# Altium PCB bqCNC.PcbDoc (part 2 of 6) (continued)
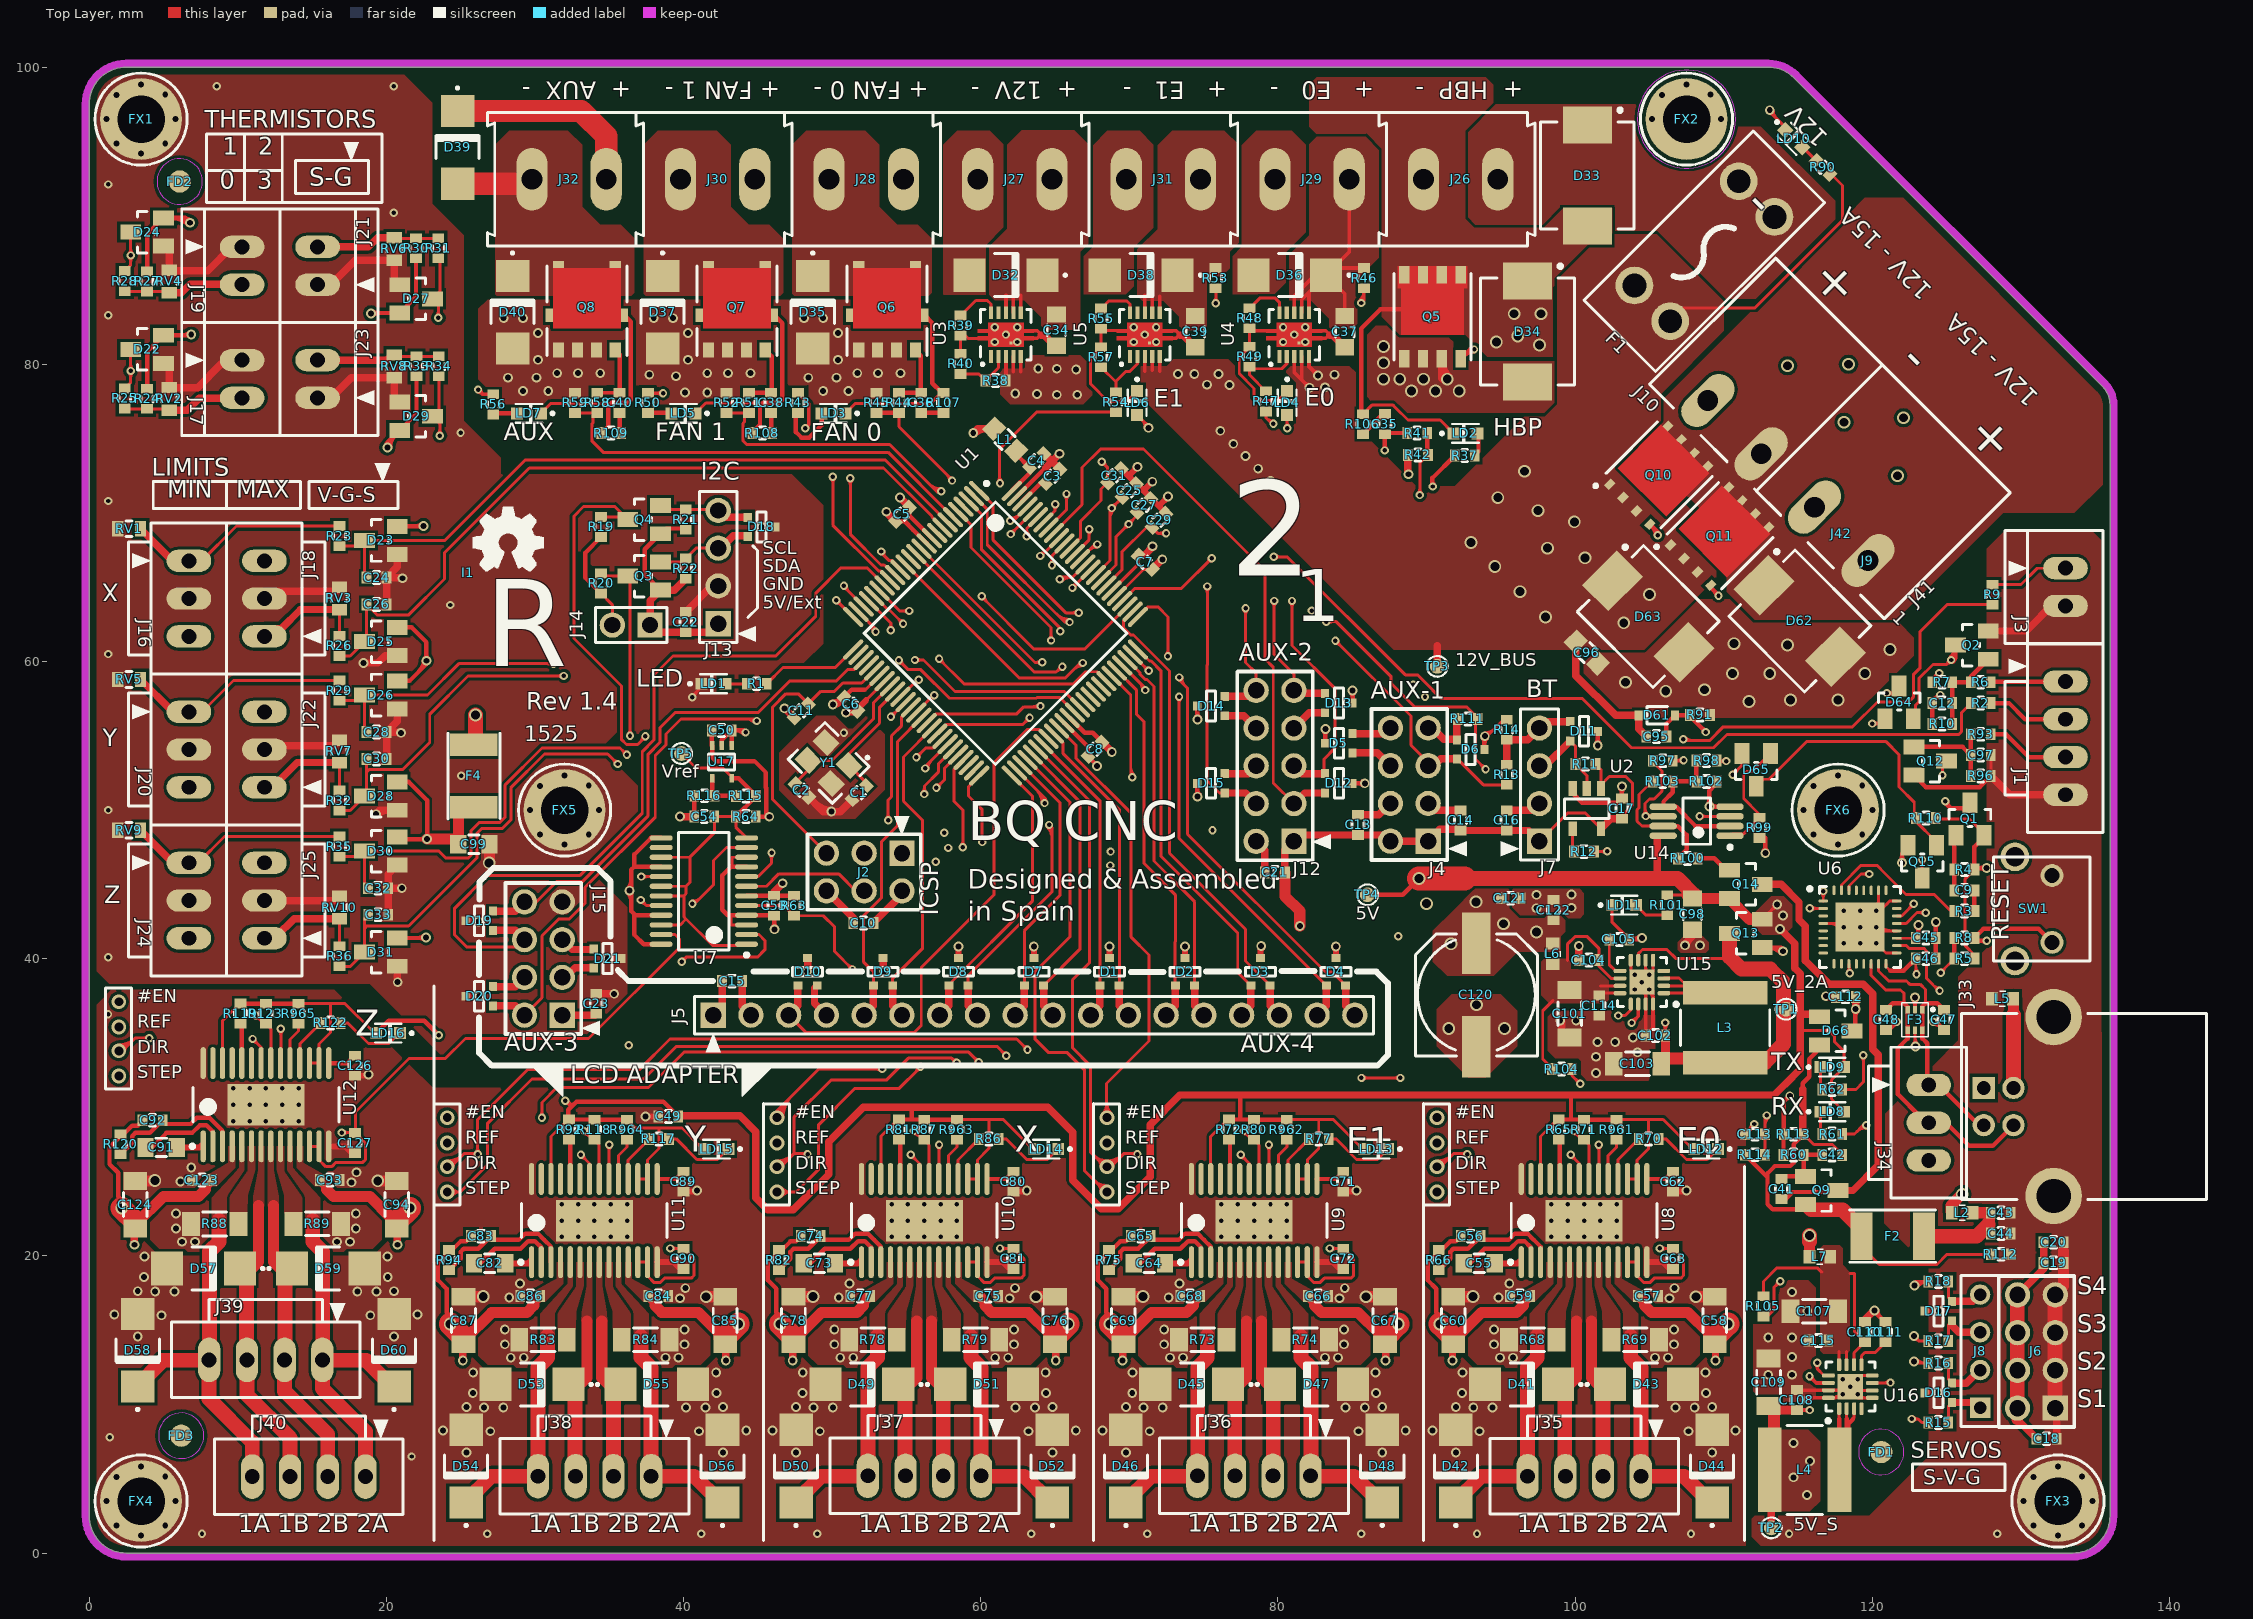
[diagram p0: Top Layer view]
## Nets (pads, with @x,y where several pads share a name; then routed paths per layer and width w, separated by ;. In a path a pad name is that pad's centre, name@x,y a point inside that pad or via, vN(x,y) a via of type N, cw(c..) or ccw(c..) an arc to the next point about the centre after c; other vN are vias at no path point) (continued)
  Power Layer w0.75: J24.3@6.466,41.372 J24.3@6.55,41.372 ; J20.3@6.466,51.786 J20.3@6.55,51.786 ; J16.3@7.366,61.468 7.366,61.478 9.398,63.51 9.398,65.278 10.892,66.772 J18.3@11.8,66.772 ; J20.3@7.62,51.562 7.62,51.572 9.144,53.096 9.144,54.864 10.892,56.612 J22.3@11.8,56.612 ; J24.3@7.874,41.656 9.398,43.18 9.398,45.212 10.638,46.452 J25.3@11.8,46.452 22.748,46.452 22.75,46.45 ; J22.3@11.63,56.866 22.666,56.866 22.725,56.925 ; J18.3@12.278,66.802 22.077,66.802 22.5,67.225 ; v1(22.5,69.125) 22.5,67.225 ; J14.2@35.21,62.45 25.275,62.45 23.925,61.1 ; v1(81.475,42.2) 81.45,42.175 78.775,42.175 74.45,37.85 43.65,37.85 J5.1@42,36.2 J15.1@31.84,36.2 30.415,34.775 25.425,34.775 22.75,37.45 22.75,46.45 ; 22.5,67.225 22.5,62.525 23.925,61.1 ; 22.725,56.925 22.725,59.9 23.925,61.1 ; 22.725,56.925 22.725,48.05 v1(22.75,48.05) 22.75,46.45
  Signal Layer 1 w0.5: J5.1@42,36.2 46.425,40.625 49.95,40.625 51.275,41.95 52.85,41.95 54.675,43.775 J2.2@54.675,44.575
5V_S: C18.2 C19.2 C20.2 C108.2 C109.2 J6.2 J6.4 J6.6 J6.8 L4.2 TP2.1 U16.7 U16.14 | length 63.3
  Top Layer w0.2: U16.7@120,11.45 121.2,11.45 v2(121.225,11.475) ; 120.73,11.45 ccw(c120.73,11.97) v2@121.098,11.602 ; 120.851,11.45 cw(c120.851,11.101) v2@121.098,11.348
  Top Layer w0.25: C109.2@113.3,9.625 C109.2@113.375,9.55 ; C108.2@114.925,9.625 v2(115.8,9.625) ; v2@115.69,9.515 ccw(c115.426,9.251) 115.426,9.625 ccw(c115.426,9.999) v2@115.69,9.735 ; v2@115.775,11.745 cw(c115.775,11.371) 116.04,11.635 cw(c116.304,11.9) v2@115.93,11.9 ; v2(115.775,11.9) 116.225,11.45 U16.14@117.05,11.45
  Top Layer w0.5: L4.2@113.1,5.6 113.2,5.5 TP2.1@113.2,1.7 ; J6.8@129.725,17.325 129.76,17.36 131.527,19.127 C20.2@131.527,20.916 ; J6.2@129.76,8.989 C18.2@131.055,7.694
  Top Layer w0.6: C109.2@113.3,9.625 C108.2@114.925,9.625
  Top Layer w0.75: J6.2@129.76,8.989 J6.2@129.76,9.78
  Top Layer w0.8: L4.2@113.375,5.8 C109.2@113.375,9.55
  Top Layer w1: J6.2@129.76,9.78 129.76,12.32 129.76,14.86 J6.8@129.76,17.36
  Power Layer w0.2: v2@121.055,11.305 cw(c120.646,10.896) 121.225,10.896 cw(c121.804,10.896) v2@121.395,11.305 ; v2(121.225,11.475) 121.225,6.35 121.375,6.2
  Power Layer w0.25: v2@115.623,11.748 cw(c115.256,11.381) 115.775,11.381 cw(c116.294,11.381) v2@115.927,11.748 ; v2@115.648,9.777 ccw(c115.341,10.084) 115.775,10.084 ; 115.775,10.204 ccw(c116.379,10.204) v2@115.952,9.777 ; v2(115.775,11.9) 115.775,9.8 115.875,9.7 v2(115.8,9.625)
  Power Layer w1.6: v1(115.8,6.2) 121.375,6.2 127.3,6.2 129.76,8.66 129.76,9.78 129.76,12.32 129.76,14.86 J6.8@129.76,17.4
  other v1: 115.6,3.9 114.7,5.1 114.7,7.4
12V_BUS: C56.1 C57.2 C58.2 C59.2 C60.2 C65.1 C66.2 C67.2 C68.2 C69.2 C74.1 C75.2 C76.2 C77.2 C78.2 C83.1 C84.2 C85.2 C86.2 C87.2 C92.1 C93.2 C94.2 C95.2 C96.2 C120.1 C121.2 C122.2 C123.2 C124.2 D61.K D63.K F1.1 L6.1 L7.1 Q10.1 Q10.2 Q10.3 Q11.1 Q11.2 Q11.3 R38.1 R66.2 R75.2 R82.2 R90.2 R94.2 R98.2 R120.2 TP3.1 U3.3 U3.4 U3.5 U4.3 U4.4 U4.5 U5.3 U5.4 U5.5 U8.4 U8.11 U9.4 U9.11 U10.4 U10.11 U11.4 U11.11 U12.4 U12.11 | length 431.3
  Top Layer w0.2: F1.1@106.4,82.9 107.3,83.8 112.1,83.8 118,89.7 118,92.025 R90.2@117.255,92.77 ; R98.2@109.5,53.3 v2(110.175,53.3) ; v2@110.048,53.173 ccw(c109.74,52.865) 109.74,53.3 ccw(c109.74,53.735) v2@110.048,53.427
  Top Layer w0.25: R38.1@61.675,78.9 61.7,78.925 U3.3@61.7,80.525 ; 62.2,79.5 U3.4@62.2,80.525 ; 62.7,79.5 U3.5@62.7,80.525 ; 71.05,79.525 U5.3@71.05,80.525 ; 71.55,79.6 U5.4@71.55,80.525 ; 72.05,79.55 U5.5@72.05,80.525 ; U4.3@81.1,80.525 81.1,79.45 81.6,78.95 ; U4.4@81.6,80.525 81.6,78.95 ; v1@81.92,78.425 ccw(c81.425,78.425) 81.775,78.775 ccw(c82.125,79.125) v1@82.125,78.63 ; U4.5@82.1,80.525 82.1,79.85 v1(82.7,79.25) ; v1(82.125,78.425) 81.6,78.95 ; v1@82.495,79.25 ccw(c82,79.25) 82.35,79.6 ccw(c82.7,79.95) v1@82.7,79.455
  Top Layer w0.3: 2.15,23.775 1.954,23.971 1.954,25.592 1.375,26.171 1.375,27.316 2.125,28.066 R120.2@2.125,28.196 2.323,28.196 2.898,28.771 3.271,28.771 C92.1@3.6,29.1 ; 24.25,15.975 24.054,16.171 24.054,17.792 23.475,18.371 23.475,19.516 24.225,20.266 R94.2@24.225,20.396 24.423,20.396 24.998,20.971 25.371,20.971 C83.1@25.7,21.3 ; 46.45,15.975 46.254,16.171 46.254,17.792 45.675,18.371 45.675,19.516 46.425,20.266 R82.2@46.425,20.396 46.623,20.396 47.198,20.971 47.571,20.971 C74.1@47.9,21.3 ; 68.65,15.975 68.454,16.171 68.454,17.792 67.875,18.371 67.875,19.516 68.625,20.266 R75.2@68.625,20.396 68.823,20.396 69.398,20.971 69.771,20.971 C65.1@70.1,21.3 ; 90.85,15.975 90.654,16.171 90.654,17.792 90.075,18.371 90.075,19.516 90.825,20.266 R66.2@90.825,20.396 91.023,20.396 91.598,20.971 91.971,20.971 C56.1@92.3,21.3
  Top Layer w0.5: v3@1.854,23.496 v3@2.125,23.225 ; v1(3.05,20.75) 3.05,21.7 C124.2@3.1,21.7 ; C94.2@20.7,21.7 20.75,21.7 v1(20.75,20.75) ; v3@23.954,15.696 v3@24.225,15.425 ; v1(25.15,12.95) 25.15,13.9 C87.2@25.2,13.9 ; C85.2@42.8,13.9 42.85,13.9 v1(42.85,12.95) ; v3@46.154,15.696 v3@46.425,15.425 ; v1(47.35,12.95) 47.35,13.9 C78.2@47.4,13.9 ; C76.2@65,13.9 65.05,13.9 v1(65.05,12.95) ; v3@68.354,15.696 v3@68.625,15.425 ; v1(69.55,12.95) 69.55,13.9 C69.2@69.6,13.9 ; C67.2@87.2,13.9 87.25,13.9 v1(87.25,12.95) ; v3@90.554,15.696 v3@90.825,15.425 ; TP3.1@90.725,59.675 90.725,61.075 ; v1(91.75,12.95) 91.75,13.9 C60.2@91.8,13.9 ; C96.2@100.058,61.342 100.058,59.042 102.725,56.375 D61.K@104.281,56.375 104.281,55.469 C95.2@104.8,54.95 ; C58.2@109.4,13.9 109.45,13.9 v1(109.45,12.95)
  Top Layer w0.75: C124.2@3.104,22.104 5,24 7.359,24 7.821,24.462 7.821,24.721 C123.2@8.2,25.1 ; C93.2@15.7,25 15.979,24.721 15.979,24.462 16.441,24 18.9,24 20.3,22.6 20.3,22.254 C94.2@20.704,21.85 ; C87.2@25.204,14.304 27.1,16.2 29.459,16.2 29.921,16.662 29.921,16.921 C86.2@30.3,17.3 ; C84.2@37.8,17.2 38.079,16.921 38.079,16.662 38.541,16.2 41,16.2 42.4,14.8 42.4,14.454 C85.2@42.804,14.05 ; C78.2@47.404,14.304 49.3,16.2 51.659,16.2 52.121,16.662 52.121,16.921 C77.2@52.5,17.3 ; C75.2@60,17.2 60.279,16.921 60.279,16.662 60.741,16.2 63.2,16.2 64.6,14.8 64.6,14.454 C76.2@65.004,14.05 ; C69.2@69.604,14.304 71.5,16.2 73.859,16.2 74.321,16.662 74.321,16.921 C68.2@74.7,17.3 ; C66.2@82.2,17.2 82.479,16.921 82.479,16.662 82.941,16.2 85.4,16.2 86.8,14.8 86.8,14.454 C67.2@87.204,14.05 ; C60.2@91.804,14.304 93.7,16.2 96.059,16.2 96.521,16.662 96.521,16.921 C59.2@96.9,17.3 ; C57.2@104.4,17.2 104.679,16.921 104.679,16.662 105.141,16.2 107.6,16.2 109,14.8 109,14.454 C58.2@109.404,14.05 ; v3@115.775,20.975 L7.1@115.775,19.946 L7.1@115.8,19.971
  Top Layer w1: v3@115.775,20.975 v3(115.775,21.375)
  Top Layer w1.5: v3(2.2,23.225) 2.2,23.2 C124.2@3.104,22.296 ; C94.2@20.696,22.296 21.6,23.2 v3(21.6,23.225) ; v3(24.3,15.425) 24.3,15.4 C87.2@25.204,14.496 ; C85.2@42.796,14.496 43.7,15.4 v3(43.7,15.425) ; v3(46.5,15.425) 46.5,15.4 C78.2@47.404,14.496 ; C76.2@64.996,14.496 65.9,15.4 v3(65.9,15.425) ; v3(68.7,15.425) 68.7,15.4 C69.2@69.604,14.496 ; C67.2@87.196,14.496 88.1,15.4 v3(88.1,15.425) ; v3(90.9,15.425) 90.9,15.4 C60.2@91.804,14.496 ; C58.2@109.396,14.496 110.3,15.4 v3(110.3,15.425)
  Power Layer w0.2: 108.05,53.3 v2(110.175,53.3) ; v2@110.005,53.13 ccw(c109.596,52.721) 109.596,53.3 ccw(c109.596,53.879) v2@110.005,53.47
  Power Layer w0.75: 2.2,24.075 2.2,29.3 5.55,32.65 5.55,35.275 7.75,37.475 17.361,37.475 17.343,37.457 21.6,33.2 21.6,23.875 ; 24.3,16.275 24.3,21.5 27.65,24.85 27.65,29.4 29.625,31.375 40.531,31.375 40.846,31.06 40.865,31.06 43.7,28.225 43.7,16.075 ; 46.5,16.275 46.5,21.5 49.85,24.85 49.85,29.4 51.825,31.375 62.731,31.375 63.046,31.06 63.065,31.06 65.9,28.225 65.9,16.075 ; 68.7,16.275 68.7,21.5 72.05,24.85 72.05,29.4 74.025,31.375 84.931,31.375 85.246,31.06 85.265,31.06 86.775,29.55 88.1,28.225 88.1,16.075 ; 90.9,16.275 90.9,22.05 94.4,25.55 94.4,29.325 97.8,32.725 99.329,31.196 99.95,30.575 107.8,30.575 109.225,29.15 109.225,19.525 110.3,18.45 110.3,16.6
  Power Layer w1: 97.8,32.725 97.8,34.475 ; 107.025,44.8 111.01,40.815 111.01,27.835 115.747,23.097 ; 115.525,23.3 115.775,23.05 v3(115.775,21.375)
  Power Layer w1.5: v3(2.2,23.225) 2.2,24.075 ; v3(21.6,23.225) 21.6,24.075 ; v3(24.3,15.425) 24.3,16.275 ; v3(43.7,15.425) 43.7,16.275 ; v3(46.5,15.425) 46.5,16.275 ; v3(65.9,15.425) 65.9,16.275 ; v3(68.7,15.425) 68.7,16.275 ; v3(88.1,15.425) 88.1,16.275 ; v3(90.9,15.425) 90.9,16.275 ; v3(110.3,15.425) 110.3,16.275
  other v1: 79.502,72.148 78.675,72.975 77.825,73.825 77,74.65 76.125,75.525 65.125,77.95 66.5,77.95 63.8,78 62.325,78.025 83.175,78.45 76.75,78.6 75.225,78.625 83.8,79.3 73.275,79.35 74.375,79.35 76,79.35 66.425,79.65 65.125,79.7 63.875,79.725
  other v3: 91.65,41 97.4,41.8 95.175,42.35 93.325,43.825 103.275,62.6 98,63 105,64.5 96.3,64.7 94.6,66.4 100.675,66.975 98.15,67.625 93,68 99.95,69.4 97.5,70.15 94.8,71.025 96.6,72.8
12V_LOW: D65.1 R99.2 U14.1 | length 7.9
  Top Layer w0.2: U14.1@110.425,48.275 110.55,48.4 111.342,48.4 111.65,48.708 111.65,48.725 R99.2@112.375,49.45 ; R99.2@112.35,49.775 111.35,50.775 111.35,52.39 111.566,52.606 111.94,52.606 D65.1@113.14,53.806
\DP_EN: R63.2 U1.78 U7.5 | length 56.5
  Top Layer w0.2: U7.5@44.25,43.575 46.743,43.575 R63.2@47.428,42.89 49.41,42.89 50.175,42.125 50.175,40.475 v2(51.375,39.275) ; v2@51.195,39.275 ccw(c50.76,39.275) 51.068,39.582 ccw(c51.375,39.89) v2@51.375,39.455 ; v2@60.075,64.22 cw(c60.075,63.906) 60.297,64.128 ; v2(60.075,64.4) 60.025,64.4 63.594,60.831 66.986,60.831 69.858,63.703 U1.78@69.874,63.703 ; v2@60.255,64.4 ccw(c60.81,64.4) 60.418,64.007
  Signal Layer 1 w0.2: v2(51.375,39.275) 51.35,39.3 52,39.3 ; v2@51.545,39.445 ccw(c51.894,39.794) 51.894,39.3 ; v2@51.548,39.108 cw(c52,38.671) 52,39.3 ; v2@59.905,64.23 cw(c58.952,63.277) 60.3,63.277 ; v2@60.047,64.372 cw(c59.435,63.76) 60.3,63.76 ; v2(60.075,64.4) 60.3,64.175 60.3,49.05 59.45,48.2 59.45,45.4 54.15,40.1 52.8,40.1 52,39.3
\E0_M_EN: R71.1 U1.76 U8.21 | length 69.6
  Top Layer w0.2: U1.76@70.581,62.996 71.26,63.675 71.925,63.675 72.6,63 v2(72.6,60.35) ; v2@72.473,60.477 ccw(c72.165,60.785) 72.6,60.785 ccw(c73.035,60.785) v2@72.727,60.477 ; v2@99.9,28.22 cw(c99.9,27.785) 100.207,28.093 cw(c100.515,28.4) v2@100.08,28.4 ; v2(99.9,28.4) 100.479,27.821 R71.1@100.6,27.821 ; R71.1@100.6,27.8 100.929,27.471 U8.21@100.929,25.175
  Signal Layer 1 w0.2: v2(72.6,60.35) 72.6,60.55 72.875,60.275 81.925,60.275 83.875,58.325 83.875,56.875 84.275,56.475 84.275,43.125 85.15,42.25 85.15,37.85 85.65,37.35 85.656,37.35 86.33,36.676 86.33,36.67 87.425,35.575 87.425,31.375 89.5,29.3 v4(90.7,29.3) ; v2@72.77,60.18 cw(c72.998,59.952) 72.998,60.275 ; v2@72.77,60.52 ccw(c73.36,61.11) 73.36,60.275 ; v4@90.417,29.017 ccw(c89.734,28.334) 89.734,29.3 ccw(c89.734,30.266) v4@90.417,29.583 ; v4@90.8,29.3 99,29.3 v2(99.9,28.4) ; v4@90.983,29.017 cw(c91.666,28.334) 91.666,29.3 cw(c91.666,30.266) v4@90.983,29.583 ; v2@99.66,28.4 ccw(c99.081,28.4) 99.49,28.81 ccw(c99.9,29.219) v2@99.9,28.64
\E1_M_EN: R80.1 U1.60 U9.21 | length 52.1
  Top Layer w0.2: U1.60@65.278,55.501 66.404,54.374 66.404,53.505 70.125,49.784 70.125,41.45 71.33,40.245 71.33,34.455 68.475,31.6 v4@68.475,29.275 ; v2@77.7,28.22 cw(c77.7,27.785) 78.007,28.093 cw(c78.315,28.4) v2@77.88,28.4 ; v2(77.7,28.4) 78.279,27.821 R80.1@78.4,27.821 ; R80.1@78.4,27.8 78.729,27.471 U9.21@78.729,25.175 ; v4@68.217,29.583 ccw(c67.595,30.205) 68.475,30.205 ; v4@68.217,29.583 ccw(c67.595,30.205) 68.475,30.205 ; v4@68.217,29.583 ccw(c67.595,30.205) 68.475,30.205 ; 68.475,29.843 ccw(c69.043,29.843) v4@68.641,29.441 ; 68.475,29.843 ccw(c69.043,29.843) v4@68.641,29.441 ; 68.475,29.843 ccw(c69.043,29.843) v4@68.641,29.441 ; 68.475,30.326 ccw(c69.526,30.326) v4@68.783,29.583 ; 68.475,30.326 ccw(c69.526,30.326) v4@68.783,29.583 ; 68.475,30.326 ccw(c69.526,30.326) v4@68.783,29.583
  Signal Layer 1 w0.2: v4@68.6,29.3 76.8,29.3 v2(77.7,28.4) ; v4@68.783,29.017 cw(c69.466,28.334) 69.466,29.3 cw(c69.466,30.266) v4@68.783,29.583 ; v2@77.46,28.4 ccw(c76.881,28.4) 77.29,28.81 ccw(c77.7,29.219) v2@77.7,28.64
  other v4: 68.5,29.3
\EN3: R87.1 U1.50 U10.21 | length 55.9
  Top Layer w0.2: v4(46.3,29.3) cw(c47.447,29.3) 46.636,30.111 ; v4@46.3,29.325 46.3,29.775 49.1,32.575 v2(53.375,32.575) ; v4@46.5,29.3 cw(c48.13,29.3) 46.977,30.452 ; v4@46.7,29.3 cw(c48.812,29.3) 47.319,30.794 ; v2@55.5,28.22 cw(c55.5,27.785) 55.807,28.093 cw(c56.115,28.4) v2@55.68,28.4 ; v2(55.5,28.4) 56.079,27.821 R87.1@56.2,27.821 ; R87.1@56.2,27.8 56.529,27.471 U10.21@56.529,25.175 ; U1.50@59.904,52.319 59.904,52.304 59.175,51.575 59.175,50.95 60.1,50.025 v2(60.1,47.85) ; v2@59.973,47.977 ccw(c59.665,48.285) 60.1,48.285 ccw(c60.535,48.285) v2@60.227,47.977 ; 52.94,32.575 ccw(c52.94,33.01) 53.248,32.702 cw(c52.94,33.01) 52.94,32.575 ; 52.94,32.575 cw(c52.94,32.14) 53.248,32.448 ccw(c52.94,32.14) 52.94,32.575
  Signal Layer 1 w0.2: v4@46.4,29.3 54.6,29.3 v2(55.5,28.4) ; v4@46.583,29.017 cw(c47.266,28.334) 47.266,29.3 cw(c47.266,30.266) v4@46.583,29.583 ; v2@53.205,32.745 ccw(c52.796,33.154) 53.375,33.154 ccw(c53.954,33.154) v2@53.545,32.745 ; v2(53.375,32.575) 53.375,37 60.1,43.725 v2(60.1,47.85) ; v2@55.26,28.4 ccw(c54.681,28.4) 55.09,28.81 ccw(c55.5,29.219) v2@55.5,28.64 ; v2@59.93,47.68 cw(c59.521,47.271) 60.1,47.271 cw(c60.679,47.271) v2@60.27,47.68
\EN4: R118.1 U1.95 U11.21 | length 93.2
  Top Layer w0.2: v2@30.348,29.427 ccw(c30.04,29.735) 30.475,29.735 ccw(c30.91,29.735) v2@30.602,29.427 ; v2(30.475,29.3) 30.475,30.325 31.475,31.325 37.65,31.325 40.03,33.705 59.195,33.705 v2(59.875,33.025) ; v2@33.3,28.22 cw(c33.3,27.785) 33.607,28.093 cw(c33.915,28.4) v2@33.48,28.4 ; v2(33.3,28.4) 33.879,27.821 R118.1@34,27.821 ; R118.1@34,27.8 34.329,27.471 U11.21@34.329,25.175 ; v2@59.695,33.025 ccw(c59.26,33.025) 59.568,33.332 ccw(c59.875,33.64) v2@59.875,33.205 ; v2@62.973,68.552 ccw(c62.665,68.86) 63.1,68.86 ccw(c63.535,68.86) v2@63.227,68.552 ; v2(63.1,68.425) 63.1,68.95 U1.95@63.864,69.714
  Signal Layer 1 w0.2: v4@24.2,29.3 32.4,29.3 v2(33.3,28.4) ; v4@24.383,29.017 cw(c25.066,28.334) 25.066,29.3 cw(c25.066,30.266) v4@24.383,29.583 ; v2@30.305,29.13 ccw(c29.896,28.721) 29.896,29.3 ccw(c29.896,29.879) v2@30.305,29.47 ; v2@30.645,29.13 cw(c31.054,28.721) 31.054,29.3 cw(c31.054,29.879) v2@30.645,29.47 ; v2@33.06,28.4 ccw(c32.481,28.4) 32.89,28.81 ccw(c33.3,29.219) v2@33.3,28.64 ; v2(59.875,33.025) 60.93,34.08 60.93,37.625 61.54,38.235 61.54,67.14 62.825,68.425 v2(63.1,68.425) ; v2@59.875,33.265 ccw(c59.875,33.844) 60.285,33.435 ccw(c60.694,33.025) v2@60.115,33.025 ; 62.221,67.821 cw(c63.1,66.942) v2@63.1,68.185 ; 62.562,68.162 cw(c63.1,67.625) v2@63.1,68.385
  other v4: 24.1,29.3
\EN5: R123.1 U1.69 U12.21 | length 96.5
  Top Layer w0.2: v2@11.2,36.02 cw(c11.2,35.585) 11.507,35.893 cw(c11.815,36.2) v2@11.38,36.2 ; v2(11.2,36.2) 11.779,35.621 R123.1@11.9,35.621 ; R123.1@11.9,35.6 12.229,35.271 U12.21@12.229,32.975 ; v2@57.2,59.995 cw(c57.2,59.56) 57.507,59.868 cw(c57.815,60.175) v2@57.38,60.175 ; v2(57.2,60.175) 58.875,58.5 66.243,58.5 67.052,59.309 67.833,59.309 U1.69@68.46,58.683
  Signal Layer 1 w0.2: v4@2.1,37.1 10.3,37.1 v2(11.2,36.2) ; v4@2.283,36.817 cw(c2.966,36.134) 2.966,37.1 cw(c2.966,38.066) v4@2.283,37.383 ; v2@10.96,36.2 ccw(c10.381,36.2) 10.79,36.61 ccw(c11.2,37.019) 11.2,36.44 ccw(c11.2,36.899) 11.524,36.574 ; v2@11.225,36.275 12.25,37.3 22.875,37.3 23.5,37.925 23.5,49.525 30.625,56.65 38.125,56.65 40.3,54.475 51.256,54.475 54.3,57.519 55.569,57.519 57.2,59.15 v2(57.2,60.175) v2@57.2,60.25 ; v2@11.44,36.2 cw(c12.14,36.2) 11.645,36.695 ; v2@57.03,60.005 cw(c56.621,59.596) 57.2,59.596 cw(c57.779,59.596) v2@57.37,60.005
  other v4: 2,37.1
\RESET: C11.2 J2.5 R5.1 R8.2 U1.30 | length 165.9
  Top Layer w0.2: J2.5@49.62,47.1 46.006,50.714 46.006,51.691 46,51.697 46,56.941 46.884,57.825 47.73,57.825 C11.2@48.402,57.152 49.244,57.994 50.169,57.994 50.725,58.55 51.993,58.55 U1.30@52.833,59.39 ; v2(124.6,39.05) 124.7,39.05 124.7,39.175 R5.1@125.525,40 ; v2@124.6,39.23 ccw(c124.6,39.604) 124.865,39.34 ; v2@124.78,39.05 cw(c125.275,39.05) 124.925,39.4
  Top Layer w0.3: R5.1@125.525,40 R8.2@125.525,41.4
  Power Layer w0.2: v2(36.325,34.175) 36.325,34.15 36.288,34.188 37.125,35.025 83.091,35.025 84,35.934 84,37.4 v2(88.1,41.5) ; v2@36.325,34.415 ccw(c36.325,34.874) 36.649,34.549 ; v2@36.565,34.175 cw(c37.265,34.175) 36.77,34.67 ; v2@87.86,41.5 cw(c87.281,41.5) 87.69,41.09 cw(c88.1,40.681) v2@88.1,41.26
  Signal Layer 1 w0.2: 35.565,34.1 ccw(c35.565,34.935) v2@36.155,34.345 ; 35.927,34.1 cw(c35.927,33.777) v2@36.155,34.005 ; v2(36.325,34.175) 36.325,34.1 28.925,34.1 27.95,35.075 27.95,44.825 28.95,45.825 33.975,45.825 36.575,48.425 46.375,48.425 47.7,47.1 J2.5@49.62,47.1 ; v2@87.93,41.33 cw(c87.521,40.921) 88.1,40.921 cw(c88.679,40.921) v2@88.27,41.33 ; v2(88.1,41.5) 88.1,40.4 90.4,38.1 97.8,38.1 99.075,36.825 ; 99.1,36.8 99.075,36.825 ; v2@124.36,39.05 cw(c123.781,39.05) 124.19,38.64 cw(c124.6,38.231) v2@124.6,38.81 ; v2(124.6,39.05) 123.75,38.2 115.95,38.2 114.575,36.825 99.075,36.825
A3: D5.1 J4.6 U1.94 | length 39.6
  Top Layer w0.2: U1.94@64.217,69.36 65,70.143 65,70.55 v2(65.025,70.575) ; v2@64.898,70.448 cw(c64.651,70.201) 65,70.201 ; 65,70.142 cw(c65.38,70.142) v2@65.139,70.436
  Top Layer w0.5: D5.1@85.025,53.85 86.69,53.85 J4.6@87.56,52.98
  Signal Layer 1 w0.2: v2(65.025,70.575) 66.95,70.575 71.8,65.725 81.35,65.725 86.25,60.825 86.25,54.29 J4.6@87.56,52.98 ; v2@65.195,70.405 cw(c65.604,69.996) 65.604,70.575 cw(c65.604,71.154) v2@65.195,70.745
A4: D5.2 J4.8 U1.93 | length 38.1
  Top Layer w0.2: U1.93@64.571,69.006 65.775,70.211 v2(65.775,71.275) ; v2@65.648,71.148 cw(c65.34,70.84) 65.775,70.84 cw(c66.21,70.84) v2@65.902,71.148
  Top Layer w0.5: D5.2@85.025,55.15 87.19,55.15 J4.8@87.56,55.52
  Signal Layer 1 w0.2: v2(65.775,71.275) 66.877,71.275 71.947,66.205 81.47,66.205 87.56,60.115 J4.8@87.56,55.52 ; v2@65.945,71.105 cw(c66.354,70.696) 66.354,71.275 cw(c66.354,71.854) v2@65.945,71.445
A5: D12.2 J12.3 U1.92 | length 40.3
  Top Layer w0.2: U1.92@64.924,68.653 66.825,70.553 66.825,73.05 68.075,74.3 70.95,74.3 79.125,66.125 79.125,60.175 79.689,59.611 79.689,51.828 J12.3@81.079,50.438
  Top Layer w0.5: J12.3@81.079,50.438 81.791,51.15 D12.2@83.175,51.15
A9: D15.1 J12.4 U1.88 | length 31.8
  Top Layer w0.2: U1.88@66.339,67.239 67.3,68.2 v2(67.3,68.9) ; v2@67.173,68.773 cw(c66.865,68.465) 67.3,68.465 cw(c67.735,68.465) v2@67.427,68.773 ; v2@75.123,64.923 cw(c74.815,64.615) 75.25,64.615 cw(c75.685,64.615) v2@75.377,64.923 ; v2(75.25,65.05) 75.25,59.775 75.225,59.75 75.225,57.349 75.23,57.344 75.23,51.995 76.075,51.15 D15.1@76.425,51.15
  Top Layer w0.5: D15.1@76.425,51.15 77.827,51.15 J12.4@78.539,50.438
  Signal Layer 1 w0.2: v2(67.3,68.9) 67.975,68.9 71.825,65.05 v2(75.25,65.05) ; v2@67.47,68.73 cw(c67.879,68.321) 67.879,68.9 cw(c67.879,69.479) v2@67.47,69.07 ; v2@75.08,64.88 ccw(c74.671,64.471) 74.671,65.05 ccw(c74.671,65.629) v2@75.08,65.22
A10: D12.1 J12.5 U1.87 | length 35.9
  Top Layer w0.2: U1.87@66.692,66.885 67.536,67.729 ; U1.87@67.256,67.449 cw(c67.85,66.855) v2@67.85,67.695 ; v2@67.734,67.738 ccw(c67.64,67.626) 67.536,67.729 ; v2(67.85,67.875) 67.85,67.825 67.754,67.729 67.536,67.729 ; v2@80.823,63.948 cw(c80.515,63.64) 80.95,63.64 cw(c81.385,63.64) v2@81.077,63.948 ; v2(80.95,64.075) 80.95,61.075 83.83,58.195 83.83,54.156 83.099,53.425 83.099,52.526 D12.1@83.175,52.45 ; J12.5@81.079,52.978 J12.5@81.628,52.978
  Top Layer w0.5: J12.5@81.079,52.978 81.607,52.45 D12.1@83.175,52.45
  Signal Layer 1 w0.2: v2@67.85,67.635 cw(c67.85,67.056) 68.26,67.465 cw(c68.669,67.875) v2@68.09,67.875 ; v2(67.85,67.875) 71.315,64.41 75.515,64.41 75.82,64.715 80.31,64.715 v2(80.95,64.075) ; v2@80.71,64.075 ccw(c80.131,64.075) 80.54,64.485 ccw(c80.95,64.894) v2@80.95,64.315
A11: D14.2 J12.10 U1.86 | length 27.7
  Top Layer w0.2: v2@65.311,65.539 cw(c65.649,65.201) 65.649,65.679 ; v2(65.325,65.525) 65.479,65.679 66.193,65.679 U1.86@67.046,66.532 ; v2@65.452,65.398 cw(c66.132,64.718) 66.132,65.679 ; v2@77.698,63.448 cw(c77.39,63.14) 77.825,63.14 cw(c78.26,63.14) v2@77.952,63.448 ; v2(77.825,63.575) 77.825,59.925 78.539,59.211 J12.10@78.539,58.058
  Top Layer w0.5: D14.2@76.425,57.65 78.131,57.65 J12.10@78.539,58.058
  Signal Layer 1 w0.2: v2@65.155,65.355 cw(c64.746,64.946) 65.325,64.946 cw(c65.904,64.946) v2@65.495,65.355 ; v2(65.325,65.525) 65.325,64.7 65.9,64.125 70.275,64.125 70.825,63.575 v2(77.825,63.575) ; v2@77.655,63.405 ccw(c77.246,62.996) 77.246,63.575 ccw(c77.246,64.154) v2@77.655,63.745
A12: D13.1 J12.9 U1.85 | length 28.1
  Top Layer w0.2: v2(66.175,64.95) 66.175,64.954 U1.85@67.399,66.178 ; v2@66.175,65.13 ccw(c66.175,65.556) 66.476,65.255 ; v2@66.355,64.95 cw(c66.798,64.95) 66.485,65.264 ; v2@79.623,63.948 cw(c79.315,63.64) 79.75,63.64 cw(c80.185,63.64) v2@79.877,63.948 ; v2(79.75,64.075) 79.75,60.475 81.079,59.146 J12.9@81.079,58.058
  Top Layer w0.5: J12.9@81.079,58.058 81.287,57.85 D13.1@83.175,57.85
  Signal Layer 1 w0.2: v2(66.175,64.95) 70.125,64.95 71.065,64.01 75.681,64.01 75.886,64.215 79.61,64.215 v2(79.75,64.075) ; v2@66.345,64.78 cw(c66.754,64.371) 66.754,64.95 cw(c66.754,65.529) v2@66.345,65.12 ; 78.833,64.215 cw(c78.833,63.158) v2@79.58,63.905 ; 79.315,64.215 cw(c79.315,63.64) v2@79.722,64.047
ALIVE: R2.1 U1.79 | length 69.3
  Top Layer w0.2: U1.79@69.521,64.057 70.368,64.904 73.504,64.904 v2(75.55,66.95) ; v2@75.37,66.95 cw(c74.935,66.95) 75.243,66.643 cw(c75.55,66.335) v2@75.55,66.77 ; v2@79.712,67.038 80.637,67.038 88.575,59.1 89.4,59.1 89.81,58.69 91,57.5 100.5,57.5 103.805,54.195 109.32,54.195 110.219,55.094 125.818,55.094 126,55.276 126,56.55 R2.1@126.675,57.225 ; v2@79.852,66.923 cw(c80.129,66.646) 80.129,67.038 ; v2@79.852,67.177 ccw(c80.19,67.515) 80.19,67.038
  Signal Layer 1 w0.2: v2(75.55,66.95) 79.625,66.95 v2(79.725,67.05) ; v2@75.72,66.78 cw(c76.129,66.371) 76.129,66.95 cw(c76.129,67.529) v2@75.72,67.12 ; 78.904,66.95 ccw(c78.904,67.871) v2@79.555,67.22 ; v2@79.555,66.88 ccw(c79.387,66.712) 79.387,66.95 ccw(c79.387,67.388) v2@79.697,67.078
ARDU_LED: R1.1 U1.26 | length 6.8
  Top Layer w0.2: R1.1@45.6,58.5 46.7,59.6 50.215,59.6 U1.26@51.419,60.804
AUX_DRIVE: R58.1 R59.2 U1.6 | length 29.6
  Top Layer w0.2: R59.2@32.7,76.725 R58.1@33.9,76.725 ; R58.1@33.9,76.8 R58.1@33.9,76.725 ; U1.6@58.136,69.714 53.775,74.075 34.6,74.075 33.829,74.846 33.829,75.97 33.9,76.041 R58.1@33.9,76.725
AUX_SS: D19.2 J15.8 U1.28 | length 34.9
  Top Layer w0.2: J15.8@29.3,43.82 30.086,43.82 31.449,45.183 33.183,45.183 37.625,49.625 37.625,53.765 38.421,54.561 38.421,55.546 39.455,56.58 45.055,56.58 47.175,58.7 50.3,58.7 51.07,59.47 51.499,59.47 U1.28@52.126,60.097
  Top Layer w0.5: D19.2@27.177,43.2 28.68,43.2 J15.8@29.3,43.82
D0_E_RX: D6.1 J4.7 R111.1 | length 3.7
  Top Layer w0.5: J4.7@90.1,55.52 90.43,55.52 91.175,54.775 D6.1@92,54.775 ; D6.1@92.046,54.728 92.046,56.146 R111.1@92.1,56.2
D0_RX: R12.2 R111.2 U1.2 U6.30 | length 91.9
  Top Layer w0.2: U1.2@59.55,71.128 60.442,70.237 60.442,67.855 v2@65.641,62.655 ; 65.094,63.203 ccw(c65.98,64.089) v2@65.98,62.835 ; 65.435,62.861 ccw(c65.98,63.406) v2@65.98,62.635 ; v2@65.831,62.554 ccw(c65.641,62.425) v2@65.641,62.655 ; v2@65.831,62.756 cw(c65.641,62.885) v2@65.641,62.655 ; v2(65.98,62.655) v2@65.641,62.655 ; v2(83.25,62.675) 83.925,62.675 87.625,58.975 87.625,58.525 89.2,56.95 92.7,56.95 R111.2@93.35,56.3 ; v2@83.377,62.548 cw(c83.685,62.24) 83.685,62.675 cw(c83.685,63.11) v2@83.377,62.802 ; R111.2@93.456,56.135 93.295,55.974 93.295,53.43 v2(93.975,52.75) ; v2@93.795,52.75 ccw(c93.36,52.75) 93.668,53.057 ccw(c93.975,53.365) v2@93.975,52.93 ; R12.2@101.275,47.2 102.15,47.2 v2(102.175,47.225) ; 101.68,47.2 ccw(c101.68,47.72) v2@102.048,47.352 ; 101.801,47.2 cw(c101.801,46.851) v2@102.048,47.098 ; U6.30@118.425,44.6 118.425,44.891 119.234,45.7 v2(119.8,45.7) ; v2@119.673,45.573 ccw(c119.365,45.265) 119.365,45.7 ccw(c119.365,46.135) v2@119.673,45.827
  Signal Layer 1 w0.2: v2@65.867,62.542 ccw(c66.211,62.886) 66.211,62.4 ; v2(65.98,62.655) 66.236,62.4 82.975,62.4 v2(83.25,62.675) ; v2@66.009,62.684 ccw(c66.693,63.368) 66.693,62.4 ; v2@66.15,62.825 ccw(c67.176,63.851) 67.176,62.4 ; 82.007,62.4 ccw(c82.007,63.918) v2@83.08,62.845 ; 82.49,62.4 ccw(c82.49,63.435) v2@83.222,62.703 ; 82.972,62.4 ccw(c82.972,62.953) v2@83.363,62.562 ; v2@93.805,52.58 cw(c93.396,52.171) 93.975,52.171 cw(c94.554,52.171) v2@94.145,52.58 ; v2(93.975,52.75) 93.975,51.65 96.45,49.175 100.175,49.175 v2@102.125,47.225 ; 101.68,47.67 ccw(c102.175,48.165) v2@102.175,47.465 ; 101.801,47.549 cw(c101.476,47.225) v2@101.935,47.225 ; v2(102.175,47.225) 110.325,47.225 111.61,45.94 119.56,45.94 v2(119.8,45.7) ; v2@102.345,47.055 cw(c102.754,46.646) 102.754,47.225 cw(c102.754,47.804) v2@102.345,47.395 ; 118.641,45.94 cw(c118.641,44.541) v2@119.63,45.53 ; 119.124,45.94 cw(c119.124,45.024) v2@119.772,45.672
D1_TX: D6.2 J4.5 R13.1 U1.3 U6.2 | length 82.4
  Top Layer w0.2: U1.3@59.197,70.774 60.042,69.929 60.042,67.548 65.358,62.231 v2(65.358,62.033) ; v2@83.875,61.22 cw(c83.875,60.785) 84.182,61.093 cw(c84.49,61.4) v2@84.055,61.4 ; v2(83.875,61.4) 88.95,56.325 88.95,54.37 90.1,53.22 J4.5@90.1,52.98 ; D6.2@91.975,53.4 92.025,53.45 92.075,53.45 93.825,51.7 R13.1@95.4,51.7 ; v2(115.8,43.4) 115.825,43.375 U6.2@116.7,43.375 ; v2@115.927,43.273 cw(c116.174,43.026) 116.174,43.375 ; v2@115.927,43.527 ccw(c116.295,43.895) 116.295,43.375
  Top Layer w0.5: J4.5@90.1,52.98 90.48,52.98 90.95,53.45 D6.2@92.025,53.45
  Signal Layer 1 w0.2: v2(65.358,62.033) 65.491,61.9 83.375,61.9 v2(83.875,61.4) ; v2@65.386,62.061 ccw(c65.776,62.451) 65.776,61.9 ; v2@65.528,62.203 ccw(c66.259,62.934) 66.259,61.9 ; v2@83.635,61.4 ccw(c83.056,61.4) 83.465,61.81 ccw(c83.875,62.219) v2@83.875,61.64 ; J4.5@90.1,52.98 96.555,46.525 109.6,46.525 111.425,44.7 114.5,44.7 v2(115.8,43.4) ; v2@115.56,43.4 ccw(c114.981,43.4) 115.39,43.81 ccw(c115.8,44.219) v2@115.8,43.64
D16: D4.2 J5.18 U1.13 | length 53.7
  Top Layer w0.2: U1.13@55.661,67.239 63.6,59.3 65.075,59.3 ; v2@65.246,59.471 ccw(c65.067,59.65) v2@65.32,59.65 ; v2@65.497,59.47 ccw(c65.486,58.889) 65.075,59.3 ; v2(65.5,59.65) 65.5,59.6 65.375,59.6 65.075,59.3 ; v2@73.334,58.928 ccw(c73.711,58.928) v2@73.444,58.661 ; v2(73.354,58.928) 73.354,58.754 73.35,58.75 73.355,58.75 73.93,58.175 73.93,57.385 73.925,57.38 73.925,48.375 83.2,39.1 83.656,39.1 D4.2@84.56,38.196 ; v2@73.534,58.928 ccw(c74.394,58.928) 73.786,58.319
  Top Layer w0.5: D4.2@84.56,38.196 84.56,36.82 J5.18@85.18,36.2
  Signal Layer 1 w0.2: v2@65.5,59.41 cw(c65.5,58.831) 65.91,59.24 cw(c66.319,59.65) v2@65.74,59.65 ; v2(65.5,59.65) 66.415,58.735 73.335,58.735 73.354,58.754 v2(73.354,58.928) ; 72.309,58.735 ccw(c72.309,59.973) v2@73.184,59.098 ; 72.791,58.735 ccw(c72.791,59.49) v2@73.325,58.956
D17: D4.1 J5.17 U1.12 | length 51.2
  Top Layer w0.2: U1.12@56.015,67.592 56.015,67.563 63.653,59.925 v2@64.15,59.925 ; 63.655,59.925 ccw(c63.655,60.445) v2@64.023,60.077 ; 63.776,59.925 cw(c63.776,59.576) v2@64.023,59.823 ; v2@73.223,57.498 cw(c72.915,57.19) 73.35,57.19 cw(c73.785,57.19) v2@73.477,57.498 ; v2(73.35,57.625) 73.35,48.106 D4.1@83.26,38.196
  Top Layer w0.5: J5.17@82.64,36.2 83.26,36.82 D4.1@83.26,38.196
  Signal Layer 1 w0.2: v2@64.15,59.71 cw(c64.15,59.131) 64.56,59.54 cw(c64.969,59.95) v2@64.39,59.95 ; v2(64.15,59.95) 66.662,57.438 73.163,57.438 v2(73.35,57.625) ; 72.319,57.438 ccw(c72.319,58.656) v2@73.18,57.795 ; 72.802,57.438 ccw(c72.802,58.173) v2@73.322,57.653
D23: D3.2 J5.16 U1.77 | length 31.9
  Top Layer w0.2: U1.77@70.228,63.35 69.601,62.723 69.601,62.279 70.096,61.784 70.277,61.784 72.7,59.361 72.7,47.1 77.825,41.975 77.825,39.851 D3.2@79.48,38.196
  Top Layer w0.5: D3.2@79.48,38.196 79.48,36.82 J5.16@80.1,36.2
D25: D3.1 J5.15 U1.75 | length 28.1
  Top Layer w0.2: U1.75@70.581,60.804 71.36,60.025 71.47,60.025 72.15,59.345 72.15,46.875 77.3,41.725 77.3,39.076 D3.1@78.18,38.196
  Top Layer w0.5: J5.15@77.56,36.2 78.18,36.82 D3.1@78.18,38.196
D27: D2.2 J5.14 U1.73 | length 26.1
  Top Layer w0.2: U1.73@69.874,60.097 69.874,60.09 70.72,59.244 70.72,59.135 71.075,58.78 71.197,58.78 71.658,58.318 71.658,46.567 74.4,43.825 D2.2@74.4,38.196
  Top Layer w0.5: D2.2@74.4,38.196 74.4,36.82 J5.14@75.02,36.2